# Altium PCB CM5_Adapter.PcbDoc (part 2 of 3)
Units mil, origin at the board's own origin, x right, y up, seen from the top; angles counter-clockwise.
Board outline 2540 x 1690 mil, 4 copper layers (Top Layer, Sig1, Sig2, Bottom Layer), stack 50.112 mil thick; 53 components, 281 nets, 1198 pads, 240 vias.
Unrouted connection lines stored in the file: 25.
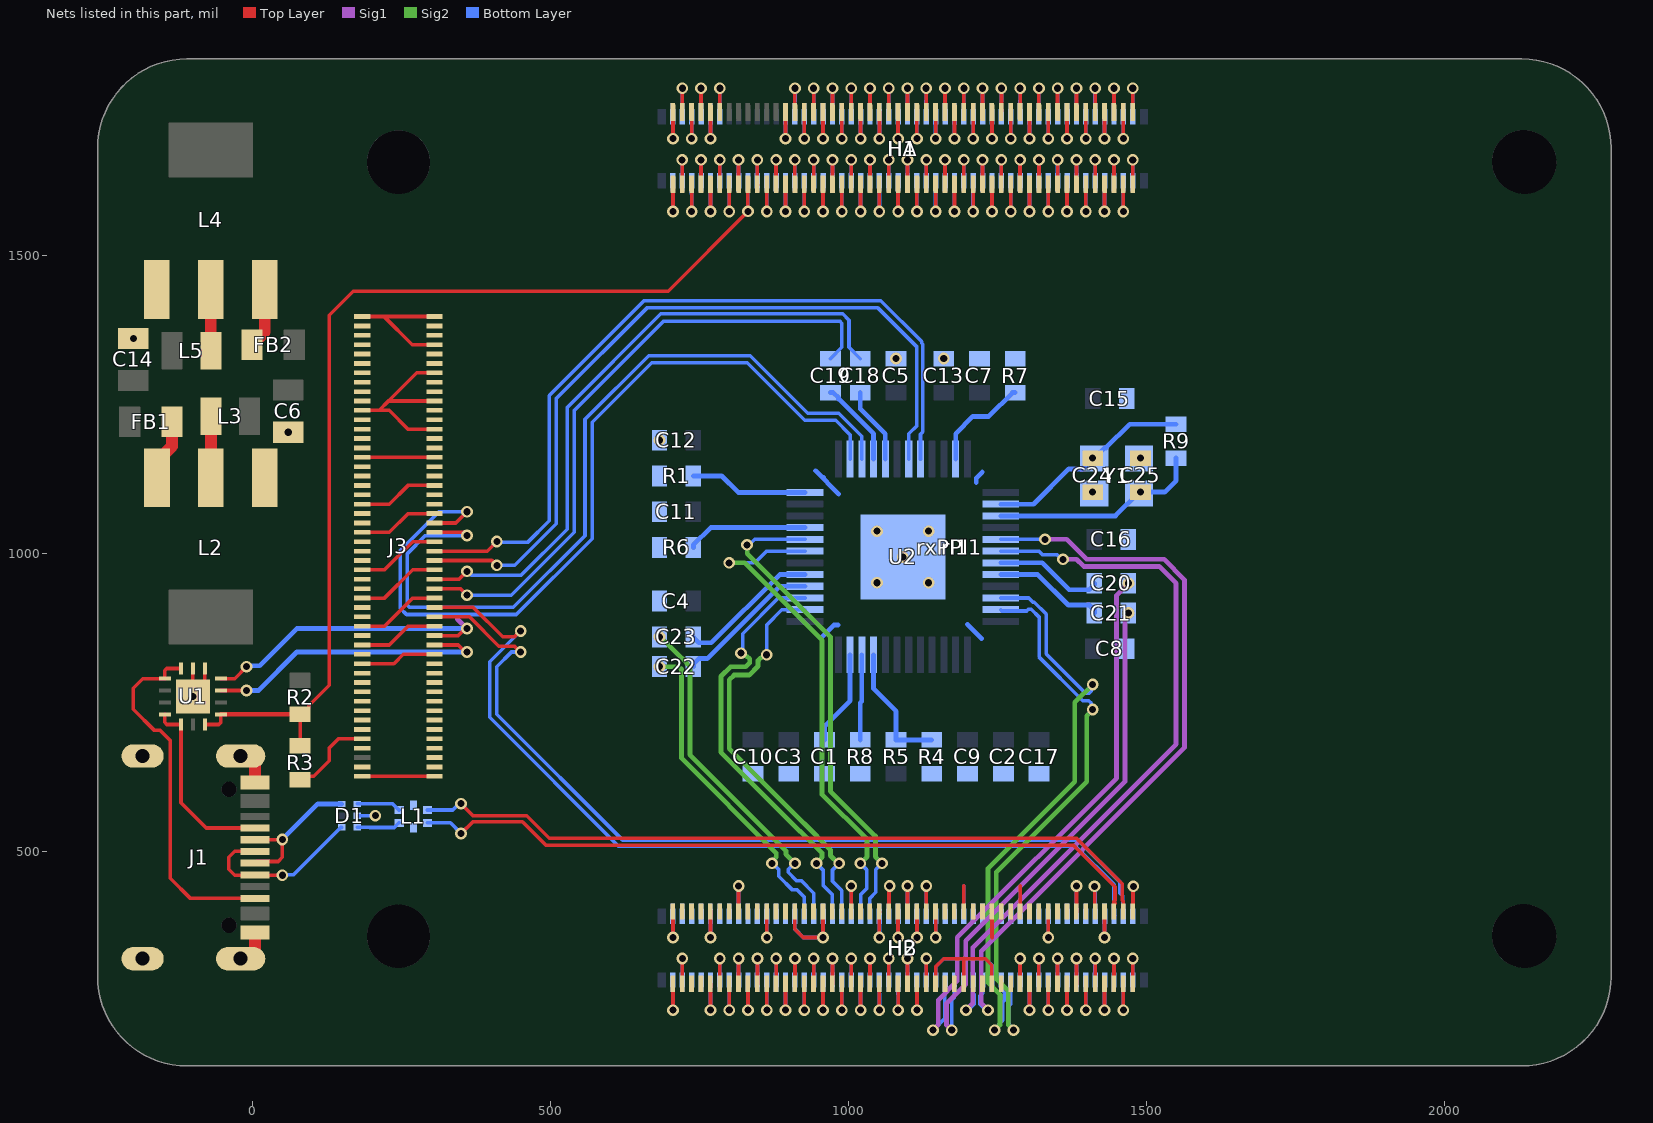
[diagram p4: the nets of this part, all layers, seen from the top]

## Via types
v1: diameter 19.68, hole 11.81, Top Layer to Bottom Layer, 240 vias

## Nets (pads, with @x,y where several pads share a name; then routed paths per layer and width w, separated by ;. In a path a pad name is that pad's centre, name@x,y a point inside that pad or via, vN(x,y) a via of type N, cw(c..) or ccw(c..) an arc to the next point about the centre after c; other vN are vias at no path point) (continued)
GND: C1.1 C2.1 C3.1 C4.1 C5.1 C6.2 C7.1 C8.1 C9.1 C10.1 C11.1 C12.1 C13.1 C14.2 C15.1 C16.1 C17.1 C24.1 C25.1 D1.2 H1.1 H1.2 H1.7 H1.8 H1.13 H1.14 H1.22 H1.23 H1.32 H1.33 H1.42 H1.43 H1.52 H1.53 H1.60 H1.65 H1.66 H1.71 H1.74 H1.98 H2.7 H2.8 H2.13 H2.14 H2.19 H2.20 H2.25 H2.26 H2.31 H2.32 H2.37 H2.38 H2.44 H2.50 H2.55 H2.56 H2.61 H2.62 H2.67 H2.68 H2.73 H2.74 H2.79 H2.80 H2.85 H2.86 H2.91 H2.92 H2.97 H2.98 HA.1 HA.2 HA.7 HA.8 HA.13 HA.14 HA.21 HA.24 HA.31 HA.34 HA.41 HA.44 HA.51 HA.54 HA.59 HA.65 HA.66 HA.72 HA.73 HA.97 HB.7 HB.8 HB.13 HB.14 HB.19 HB.20 HB.25 HB.26 HB.31 HB.32 HB.37 HB.38 HB.43 HB.49 HB.55 HB.56 HB.61 HB.62 HB.67 HB.68 HB.73 HB.74 HB.79 HB.80 HB.85 HB.86 HB.91 HB.92 HB.97 J1.A1B12 J1.B1A12 J1.S1 J1.S2 J1.S3 J1.S4 J3.1 J3.2 J3.8 J3.14 J3.20 J3.21 J3.26 J3.31 J3.32 J3.38 J3.41 J3.44 J3.47 J3.50 J3.55 J3.56 J3.61 J3.62 J3.67 J3.68 J3.71 J3.74 J3.75 J3.99 J3.100 L1.5 L1.6 L2.1 L4.1 R1.1 R4.1 R6.1 R7.1 R8.1 rPI1.1 rPI1.2 rPI1.7 rPI1.8 rPI1.13 rPI1.14 rPI1.22 rPI1.23 rPI1.32 rPI1.33 rPI1.42 rPI1.43 rPI1.52 rPI1.53 rPI1.60 rPI1.65 rPI1.66 rPI1.71 rPI1.74 rPI1.98 rPI1.107 rPI1.108 rPI1.113 rPI1.114 rPI1.119 rPI1.120 rPI1.125 rPI1.126 rPI1.131 rPI1.132 rPI1.137 rPI1.138 rPI1.144 rPI1.150 rPI1.155 rPI1.156 rPI1.161 rPI1.162 rPI1.167 rPI1.168 rPI1.173 rPI1.174 rPI1.179 rPI1.180 rPI1.185 rPI1.186 rPI1.191 rPI1.192 rPI1.198 rxPI1.1 rxPI1.2 rxPI1.7 rxPI1.8 rxPI1.13 rxPI1.14 rxPI1.22 rxPI1.23 rxPI1.32 rxPI1.33 rxPI1.42 rxPI1.43 rxPI1.52 rxPI1.53 rxPI1.60 rxPI1.65 rxPI1.66 rxPI1.71 rxPI1.74 rxPI1.98 rxPI1.107 rxPI1.108 rxPI1.113 rxPI1.114 rxPI1.119 rxPI1.120 rxPI1.125 rxPI1.126 rxPI1.131 rxPI1.132 rxPI1.137 rxPI1.138 rxPI1.144 rxPI1.150 rxPI1.155 rxPI1.156 rxPI1.161 rxPI1.162 rxPI1.167 rxPI1.168 rxPI1.173 rxPI1.174 rxPI1.179 rxPI1.180 rxPI1.185 rxPI1.186 rxPI1.191 rxPI1.192 rxPI1.197 rxPI1.198 rxPI1.201 rxPI1.202 rxPI1.207 rxPI1.213 rxPI1.219 rxPI1.222 rxPI1.225 rxPI1.231 rxPI1.232 rxPI1.237 rxPI1.242 rxPI1.243 rxPI1.248 rxPI1.249 rxPI1.255 rxPI1.256 rxPI1.261 rxPI1.262 rxPI1.267 rxPI1.268 rxPI1.272 rxPI1.273 rxPI1.276 rxPI1.299 rxPI1.300 U1.8 U1.9 U1.15 U2.49 Y1.2 Y1.4 | length 6596.3
  Top Layer w6: U1.9@-100,807 v1(-100,760) -80,780 U1.8@-80,807 ; J1.S2@-19.92,319.92 -10.92,319.92 J1.S2@4.49,335.33 ; J1.S1@-19.92,660.08 -10.92,660.08 J1.S1@4.49,644.66 ; J3.99@184.13,625.95 J3.100@305.39,625.95 ; J3.75@184.13,814.93 237.36,814.93 253.11,830.68 J3.74@305.39,830.68 ; J3.71@184.13,846.43 229.48,846.43 260.98,877.92 J3.68@305.39,877.92 ; J3.67@184.13,877.92 221.61,877.92 268.85,925.17 J3.62@305.39,925.17 ; J3.61@184.13,925.17 221.61,925.17 268.85,972.41 J3.56@305.39,972.41 ; J3.55@184.13,972.41 221.61,972.41 268.85,1019.66 J3.50@305.39,1019.66 ; J3.47@184.13,1035.4 229.48,1035.4 260.98,1066.9 J3.44@305.39,1066.9 ; J3.41@184.13,1082.65 229.48,1082.65 260.98,1114.14 J3.38@305.39,1114.14 ; J3.31@184.13,1161.39 J3.32@305.39,1161.39 ; J3.21@184.13,1240.13 212.51,1240.13 ; J3.26@305.39,1208.63 260.98,1208.63 229.48,1240.13 212.51,1240.13 ; J3.20@305.39,1255.88 228.26,1255.88 212.51,1240.13 ; J3.14@305.39,1303.12 275.51,1303.12 212.51,1240.13 ; J3.8@305.39,1350.36 267.92,1350.36 220.67,1397.61 J3.1@184.13,1397.61 J3.2@305.39,1397.61 ; H2.73@910.09,399.09 910.09,369.91 924.49,355.51 v1(957.52,355.51) ; H2.44@1146.31,277.83 1146.31,306.31 1160.08,320.08 1193.74,320.08 1193.82,320 1230,320 1240.8,309.2 H2.32@1240.8,277.83
  Top Layer w6.3: H2.97@721.11,399.09 H2.97@721.11,399.09 ; v1(721.11,1660.63) 721.21,1660.54 721.21,1618.65 H1.98@721.3,1618.55 ; H2.98@721.3,276.9 v1(721.3,320.08) ; H2.91@768.36,399.09 768.45,399 768.45,355.61 v1(768.54,355.51) ; v1(768.54,233.46) H2.92@768.54,276.9 ; H2.85@815.6,399.09 815.69,399.19 815.69,442.03 v1(815.79,442.13) ; H2.86@815.79,276.9 v1(815.79,320.08) ; H2.79@862.84,399.09 862.94,399 862.94,355.61 v1(863.03,355.51) ; v1(863.03,233.46) H2.80@863.03,276.9 ; H2.73@910.09,399.09 H2.73@910.18,399.19 ; rxPI1.74@910.09,1620.91 v1(910.09,1660.63) ; H2.74@910.28,276.9 v1(910.28,320.08) ; rxPI1.71@925.84,1742.17 925.93,1742.07 925.93,1696.16 v1(926.02,1696.06) ; H2.67@957.43,399 957.43,355.61 v1(957.52,355.51) ; v1(957.52,233.46) H2.68@957.52,276.9 ; rxPI1.66@973.08,1620.91 973.17,1621 973.17,1660.54 v1(973.27,1660.63) ; rxPI1.65@973.08,1742.17 973.17,1742.26 973.17,1780.62 v1(973.27,1780.71) ; H2.61@1004.58,399.09 1004.67,399.19 1004.67,442.03 v1(1004.76,442.13) ; H2.62@1004.76,276.9 v1(1004.76,320.08) ; rxPI1.60@1020.32,1620.91 1020.42,1620.81 1020.42,1574.11 v1(1020.51,1574.02) ; H2.56@1051.82,277.83 1051.91,277.74 1051.91,233.56 v1(1052.01,233.46) ; v1(1052.01,355.51) 1051.91,355.61 1051.91,398.07 H2.55@1052.01,398.16 ; H1.53@1067.76,1739.81 v1(1067.76,1780.71) ; rxPI1.52@1083.32,1620.91 1083.41,1620.81 1083.41,1574.11 v1(1083.5,1574.02) ; H2.50@1099.25,276.9 v1(1099.25,320.08) ; H2.44@1146.31,277.83 H2.44@1146.4,277.74 ; v1(1146.5,1696.06) H1.43@1146.5,1739.81 ; rxPI1.42@1162.06,1620.91 1162.15,1621 1162.15,1660.54 v1(1162.24,1660.63) ; H2.38@1193.55,277.83 1193.65,277.93 1193.65,319.99 1193.74,320.08 ; H2.37@1193.55,399.09 1193.65,399.19 1193.65,442.03 1193.74,442.13 ; rxPI1.33@1225.05,1742.17 1225.14,1742.26 1225.14,1780.62 v1(1225.24,1780.71) ; H2.32@1240.8,277.83 H2.32@1240.89,277.74 ; H2.31@1240.8,399.09 1240.89,399 1240.89,355.61 1240.98,355.51 ; v1(1240.98,1574.02) H1.32@1240.98,1618.55 ; H2.26@1288.04,277.83 1288.13,277.93 1288.13,319.99 v1(1288.23,320.08) ; H2.25@1288.23,398.16 1288.23,442.13 ; v1(1303.98,1696.06) H1.23@1303.98,1739.81 ; H1.22@1319.72,1618.55 v1(1319.72,1660.63) ; H2.20@1335.29,277.83 1335.38,277.74 1335.38,233.56 v1(1335.47,233.46) ; v1(1335.47,355.51) H2.19@1335.47,398.16 ; H2.14@1382.53,277.83 1382.62,277.93 1382.62,319.99 v1(1382.72,320.08) ; rxPI1.13@1382.53,1742.17 1382.62,1742.26 1382.62,1780.62 v1(1382.72,1780.71) ; H2.13@1382.62,399.19 1382.62,442.03 v1(1382.72,442.13) ; H1.14@1382.72,1618.55 v1(1382.72,1660.63) ; H2.8@1429.77,277.83 1429.87,277.74 1429.87,233.56 v1(1429.96,233.46) ; rxPI1.7@1429.77,1742.17 1429.87,1742.07 1429.87,1696.16 v1(1429.96,1696.06) ; H2.7@1429.87,399 1429.87,355.61 v1(1429.96,355.51) ; v1(1429.96,1574.02) H1.8@1429.96,1618.55 ; rxPI1.1@1477.02,1742.17 1477.11,1742.26 1477.11,1780.62 v1(1477.2,1780.71) ; H1.2@1477.2,1618.55 v1(1477.2,1660.63)
  Top Layer w20: J1.S2@4.49,335.33 J1.B1A12@4.49,364.02 ; J1.A1B12@4.49,615.98 J1.S1@4.49,644.66
  Bottom Layer w6: D1.2@176.05,560 v1(206.14,560) ; HB.74@910.28,390.88 910.28,369.72 924.49,355.51 v1(957.52,355.51) ; HB.43@1146.5,284.18 1146.5,306.5 1160.08,320.08 1193.74,320.08 ; 1193.98,319.84 1230.16,319.84 1240.98,309.02 HB.31@1240.98,284.18
  Bottom Layer w6.3: rPI1.198@721.11,277.83 721.11,294.76 721.3,294.95 v1(721.3,320.08) ; rPI1.98@721.11,1620.91 v1(721.11,1660.63) ; rPI1.192@768.36,277.83 768.36,260.9 768.54,260.72 v1(768.54,233.46) ; v1(768.54,355.51) HB.92@768.54,390.88 ; HB.85@815.79,284.18 v1(815.79,320.08) ; HB.86@815.79,390.88 v1(815.79,442.13) ; rPI1.180@862.84,277.83 862.84,260.9 863.03,260.72 v1(863.03,233.46) ; v1(863.03,355.51) HB.80@863.03,390.88 ; rPI1.174@910.09,277.83 910.09,294.76 910.28,294.95 v1(910.28,320.08) ; rPI1.74@910.09,1620.91 v1(910.09,1660.63) ; v1(926.02,1696.06) HA.72@926.02,1732.53 ; rPI1.168@957.33,277.83 957.33,260.9 957.52,260.72 v1(957.52,233.46) ; v1(957.52,355.51) HB.68@957.52,390.88 ; HA.65@973.27,1625.84 v1(973.27,1660.63) ; HA.66@973.27,1732.53 v1(973.27,1780.71) ; rPI1.162@1004.58,277.83 1004.58,294.76 1004.76,294.95 v1(1004.76,320.08) ; HB.62@1004.76,390.88 v1(1004.76,442.13) ; rPI1.60@1020.32,1620.91 1020.32,1603.98 1020.51,1603.79 v1(1020.51,1574.02) ; rPI1.156@1051.82,277.83 1051.82,260.9 1052.01,260.72 v1(1052.01,233.46) ; v1(1052.01,355.51) HB.56@1052.01,390.88 ; HA.54@1067.76,1732.53 v1(1067.76,1780.71) ; rPI1.52@1083.32,1620.91 1083.32,1574.2 v1(1083.5,1574.02) ; rPI1.150@1099.06,277.83 1099.06,294.76 1099.25,294.95 v1(1099.25,320.08) ; rPI1.43@1146.31,1742.17 1146.31,1696.25 v1(1146.5,1696.06) ; rPI1.42@1162.06,1620.91 1162.06,1660.44 v1(1162.24,1660.63) ; HB.37@1193.74,284.18 1193.74,320.08 ; HB.38@1193.74,390.88 1193.74,442.13 ; rPI1.33@1225.05,1742.17 1225.05,1780.52 v1(1225.24,1780.71) ; rPI1.32@1240.8,1620.91 1240.8,1574.2 v1(1240.98,1574.02) ; 1240.98,355.51 HB.32@1240.98,390.88 ; rPI1.126@1288.04,277.83 1288.04,319.89 v1(1288.23,320.08) ; HB.26@1288.23,390.88 1288.23,442.13 ; rPI1.23@1303.79,1742.17 1303.79,1696.25 v1(1303.98,1696.06) ; rPI1.22@1319.54,1620.91 1319.54,1660.44 v1(1319.72,1660.63) ; rPI1.120@1335.29,277.83 1335.29,233.65 v1(1335.47,233.46) ; rPI1.119@1335.29,399.09 1335.29,355.7 v1(1335.47,355.51) ; rPI1.113@1382.53,399.09 1382.53,441.94 v1(1382.72,442.13) ; rPI1.13@1382.53,1742.17 1382.53,1780.52 v1(1382.72,1780.71) ; HB.13@1382.72,284.18 v1(1382.72,320.08) ; HA.13@1382.72,1625.84 v1(1382.72,1660.63) ; rPI1.108@1429.77,277.83 1429.77,233.65 v1(1429.96,233.46) ; rPI1.107@1429.77,399.09 1429.77,355.7 v1(1429.96,355.51) ; rPI1.7@1429.77,1742.17 1429.77,1696.25 v1(1429.96,1696.06) ; v1(1429.96,1574.02) HA.7@1429.96,1625.84 ; rPI1.1@1477.02,1742.17 1477.02,1780.52 v1(1477.2,1780.71) ; HA.1@1477.2,1625.84 v1(1477.2,1660.63)
  Bottom Layer w8: 944.94,1138.65 983.99,1099.61 ; 955.92,860 975.92,880 983.15,880 ; 958.15,1125.9 958.15,1127.44 ; 1199.69,881.15 1223.33,857.5 ; 1214.59,1119.25 1214.59,1126.55 1224.69,1136.65
  other v1: 1048.11,950.87 1134.72,950.87 1091.42,994.17 1048.11,1037.48 1134.72,1037.48 1410,1103 1490,1160 683,1190 60,1203.44 1080,1327 1160,1327 -200,1361
HDMI0_CEC: H2.51 HB.52 rPI1.151 rxPI1.151 | length 87.3
  Top Layer w6.3: H2.51@1083.32,399.09 1083.41,399 1083.41,355.61 v1(1083.5,355.51)
  Bottom Layer w6.3: rPI1.151@1083.32,399.09 1083.32,382.16 1083.5,381.98 v1(1083.5,355.51)
HDMI0_CLK_N: H2.90 HB.89 rPI1.190 rxPI1.190 | length 78.2
  Top Layer w6.3: H2.90@784.1,277.83 784.2,277.93 784.2,319.99 v1(784.29,320.08)
  Bottom Layer w6.3: HB.89@784.29,284.18 v1(784.29,320.08)
HDMI0_CLK_P: H2.88 HB.87 rPI1.188 rxPI1.188 | length 88.9
  Top Layer w6.3: H2.88@799.85,277.83 799.95,277.74 799.95,233.56 v1(800.04,233.46)
  Bottom Layer w6.3: rPI1.188@799.85,277.83 799.85,260.9 800.04,260.72 v1(800.04,233.46)
HDMI0_HOTPLUG: H2.53 HB.54 rPI1.153 rxPI1.153 | length 87.5
  Top Layer w6.3: H2.53@1067.57,399.09 1068.36,399.88 1068.36,441.24 v1(1069.25,442.13)
  Bottom Layer w6.3: rPI1.153@1067.57,399.09 1068.5,400.03 1068.5,441.38 v1(1069.25,442.13)
HDMI0_SCL: H2.100 HB.99 rPI1.200 rxPI1.200 | length 88.9
  Top Layer w6.3: H2.100@705.36,277.83 705.46,277.74 705.46,233.56 v1(705.55,233.46)
  Bottom Layer w6.3: rPI1.200@705.36,277.83 705.36,260.9 705.55,260.72 v1(705.55,233.46)
HDMI0_SDA: H2.99 HB.100 rPI1.199 rxPI1.199 | length 79
  Top Layer w6.3: H2.99@705.36,399.09 705.46,399 705.46,355.61 v1(705.55,355.51)
  Bottom Layer w6.3: v1(705.55,355.51) HB.100@705.55,390.88
HDMI0_TX0_N: H2.84 HB.83 rPI1.184 rxPI1.184 | length 95.2
  Top Layer w6.3: H2.84@831.35,277.83 831.44,277.74 831.44,233.56 v1(831.54,233.46)
  Bottom Layer w6.3: v1(831.54,233.46) HB.83@831.54,284.18
HDMI0_TX0_P: H2.82 HB.81 rPI1.182 rxPI1.182 | length 85.5
  Top Layer w6.3: H2.82@847.28,276.9 v1(847.28,320.08)
  Bottom Layer w6.3: rPI1.182@847.1,277.83 847.1,294.76 847.28,294.95 v1(847.28,320.08)
HDMI0_TX1_N: H2.78 HB.77 rPI1.178 rxPI1.178 | length 85.5
  Top Layer w6.3: H2.78@878.78,276.9 v1(878.78,320.08)
  Bottom Layer w6.3: rPI1.178@878.59,277.83 878.59,294.76 878.78,294.95 v1(878.78,320.08)
HDMI0_TX1_P: H2.76 HB.75 rPI1.176 rxPI1.176 | length 87.9
  Top Layer w6.3: v1(894.53,233.46) H2.76@894.53,276.9
  Bottom Layer w6.3: rPI1.176@894.34,277.83 894.34,260.9 894.53,260.72 v1(894.53,233.46)
HDMI0_TX2_N: H2.72 HB.71 rPI1.172 rxPI1.172 | length 87.9
  Top Layer w6.3: v1(926.02,233.46) H2.72@926.02,276.9
  Bottom Layer w6.3: rPI1.172@925.84,277.83 925.84,260.9 926.02,260.72 v1(926.02,233.46)
HDMI0_TX2_P: H2.70 HB.69 rPI1.170 rxPI1.170 | length 85.5
  Top Layer w6.3: H2.70@941.77,276.9 v1(941.77,320.08)
  Bottom Layer w6.3: rPI1.170@941.58,277.83 941.58,294.76 941.77,294.95 v1(941.77,320.08)
HDMI1_CEC: H2.49 HB.50 rPI1.149 rxPI1.149 | length 94.4
  Top Layer w6.3: H2.49@1099.06,399.09 1099.16,399.19 1099.16,442.03 v1(1099.25,442.13)
  Bottom Layer w6.3: HB.50@1099.25,390.88 v1(1099.25,442.13)
HDMI1_CLK_N: H2.66 HB.65 rPI1.166 rxPI1.166 | length 85.5
  Top Layer w6.3: H2.66@973.27,276.9 v1(973.27,320.08)
  Bottom Layer w6.3: rPI1.166@973.08,277.83 973.08,294.76 973.27,294.95 v1(973.27,320.08)
HDMI1_CLK_P: H2.64 HB.63 rPI1.164 rxPI1.164 | length 87.9
  Top Layer w6.3: v1(989.02,233.46) H2.64@989.02,276.9
  Bottom Layer w6.3: rPI1.164@988.83,277.83 988.83,260.9 989.02,260.72 v1(989.02,233.46)
HDMI1_HOTPLUG: H2.43 HB.44 rPI1.143 rxPI1.143 | length 79
  Top Layer w6.3: H2.43@1146.31,399.09 1146.4,399 1146.4,355.61 v1(1146.5,355.51)
  Bottom Layer w6.3: v1(1146.5,355.51) HB.44@1146.5,390.88
HDMI1_SCL: H2.47 HB.48 rPI1.147 rxPI1.147 | length 78
  Top Layer w6.3: v1(1115,355.51) H2.47@1115,398.16
  Bottom Layer w6.3: v1(1115,355.51) HB.48@1115,390.88
HDMI1_SDA: H2.45 HB.46 rPI1.145 rxPI1.145 | length 95.2
  Top Layer w6.3: H2.45@1130.75,398.16 v1(1130.75,442.13)
  Bottom Layer w6.3: HB.46@1130.75,390.88 v1(1130.75,442.13)
HDMI1_TX0_N: H2.60 HB.59 rPI1.160 rxPI1.160 | length 88.9
  Top Layer w6.3: H2.60@1020.32,277.83 1020.42,277.74 1020.42,233.56 v1(1020.51,233.46)
  Bottom Layer w6.3: rPI1.160@1020.32,277.83 1020.32,260.9 1020.51,260.72 v1(1020.51,233.46)
HDMI1_TX0_P: H2.58 HB.57 rPI1.158 rxPI1.158 | length 85.5
  Top Layer w6.3: H2.58@1036.26,276.9 v1(1036.26,320.08)
  Bottom Layer w6.3: rPI1.158@1036.07,277.83 1036.07,294.76 1036.26,294.95 v1(1036.26,320.08)
HDMI1_TX1_N: H2.54 HB.53 rPI1.154 rxPI1.154 | length 85.5
  Top Layer w6.3: H2.54@1067.76,276.9 v1(1067.76,320.08)
  Bottom Layer w6.3: rPI1.154@1067.57,277.83 1067.57,294.76 1067.76,294.95 v1(1067.76,320.08)
HDMI1_TX1_P: H2.52 HB.51 rPI1.152 rxPI1.152 | length 87.9
  Top Layer w6.3: v1(1083.5,233.46) H2.52@1083.5,276.9
  Bottom Layer w6.3: rPI1.152@1083.32,277.83 1083.32,260.9 1083.5,260.72 v1(1083.5,233.46)
HDMI1_TX2_N: H2.48 HB.47 rPI1.148 rxPI1.148 | length 94.2
  Top Layer w6.3: v1(1115,233.46) H2.48@1115,276.9
  Bottom Layer w6.3: v1(1115,233.46) HB.47@1115,284.18
HDMI1_TX2_P: H2.46 HB.45 rPI1.146 rxPI1.146 | length 79.1
  Top Layer w6.3: H2.46@1130.75,276.9 v1(1130.75,320.08)
  Bottom Layer w6.3: HB.45@1130.75,284.18 v1(1130.75,320.08)
I2C_SCL: J3.72 rxPI1.271 U1.6 | length 499.3
  Top Layer w6: U1.6@-53,770 v1(-10,770) ; J3.72@305.39,846.43 345.16,846.43 356.98,834.62 v1(360,834.62)
  Bottom Layer w8: v1(-10,770) 10,770 74.62,834.62 v1(360,834.62)
I2C_SDA: J3.70 rxPI1.269 U1.7 | length 529.9
  Top Layer w6: U1.7@-53,790 -30,790 v1(-10,810) ; J3.70@305.39,862.18 345.16,862.18 356.97,873.99 v1(360,873.99)
  Sig1 w8: 343.99,890 v1(360,873.99)
  Bottom Layer w8: v1(-10,810) -8.49,811.51 11.84,811.51 74.32,873.99 v1(360,873.99)
NetC1_2: C1.2 U2.11 | length 160.7
  Bottom Layer w8: C1.2@960,687 960,710 1002.83,752.83 U2.11@1002.83,830
NetC18_2: C18.2 U2.29 | length 129
  Bottom Layer w8: C18.2@1020,1270 1020,1242.52 1061.89,1200.63 U2.29@1061.89,1158.35
NetC19_2: C19.2 U2.28 | length 144.2
  Bottom Layer w8: C19.2@970,1270 974.5,1270 983.5,1261 983.5,1259.35 1042.2,1200.65 U2.28@1042.2,1158.35
NetC20_2: C20.2 U2.43 | length 181.8
  Bottom Layer w8: U2.43@1255.59,984.33 1325.13,984.33 1370.41,939.06 1404,939.06 1413,948.06 C20.2@1413,950
NetC21_2: C21.2 U2.44 | length 186.8
  Bottom Layer w8: U2.44@1255.59,964.65 1317.68,964.65 1368.82,913.5 1404,913.5 1413,904.5 C21.2@1413,900
NetC22_2: C22.2 U2.16 | length 245.8
  Bottom Layer w8: C22.2@740,810 740,814.5 749,823.5 763.17,823.5 884.63,944.96 U2.16@927.24,944.96
NetC23_2: C23.2 U2.17 | length 239.5
  Bottom Layer w8: C23.2@740,860 740,859 749,850 770,850 884.65,964.65 U2.17@927.24,964.65
NetC24_2: C24.2 R9.1 U2.38 Y1.3 | length 347.8
  Bottom Layer w8: U2.38@1255.59,1082.76 1310.63,1082.76 1369.75,1141.87 1392.98,1141.87 1410,1158.9 v1(1410,1160) ; Y1.3@1412.82,1160 1430,1177.18 1432.22,1177.18 1472.04,1217 R9.1@1550,1217
NetC25_2: C25.2 R9.2 U2.39 Y1.1 | length 356.7
  Bottom Layer w8: U2.39@1255.59,1063.07 1448.03,1063.07 1487.96,1103 v1(1490,1103) 1530.87,1103 1550,1122.13 R9.2@1550,1160
NetD1_1: D1.1 L1.4 | length 74.7
  Bottom Layer w6: D1.1@176.05,579.68 197.76,579.68 197.92,579.84 235.08,579.84 245.39,569.53 L1.4@246.38,569.53
NetD1_3: D1.3 L1.3 | length 73.6
  Bottom Layer w6: D1.3@176.05,540.32 196.82,540.32 196.98,540.16 237.68,540.16 245.39,547.87 L1.3@246.38,547.87
NetFB1_1: FB1.1 L2.3 | length 104.8
  Top Layer w6: L2.3@-160.5,1126.92 L2.3@-160.5,1154.48
  Top Layer w20: L2.3@-160.5,1154.48 -135.1,1179.88 FB1.1@-135.1,1221.19
NetFB2_1: FB2.1 L4.3 | length 109.7
  Top Layer w6: FB2.1@-1,1350 FB2.1@-1,1357.75
  Top Layer w20: FB2.1@-1,1350 20.5,1371.5 L4.3@20.5,1443.08
NetH1_3: H1.3 HA.4 rPI1.3 rxPI1.3 | length 89.9
  Top Layer w6.3: v1(1461.46,1696.06) H1.3@1461.46,1739.81
  Bottom Layer w6.3: rPI1.3@1461.27,1742.17 1461.27,1696.25 v1(1461.46,1696.06)
NetH1_4: H1.4 HA.3 rPI1.4 rxPI1.4 | length 93.9
  Top Layer w6.3: rxPI1.4@1461.27,1620.91 1461.36,1620.81 1461.36,1574.11 v1(1461.46,1574.02)
  Bottom Layer w6.3: rPI1.4@1461.27,1620.91 1461.27,1574.2 v1(1461.46,1574.02)
NetH1_5: H1.5 HA.6 rPI1.5 rxPI1.5 | length 77.2
  Top Layer w6.3: rxPI1.5@1445.52,1742.17 1445.62,1742.26 1445.62,1780.62 v1(1445.71,1780.71)
  Bottom Layer w6.3: rPI1.5@1445.52,1742.17 1445.52,1780.52 v1(1445.71,1780.71)
NetH1_6: H1.6 HA.5 rPI1.6 rxPI1.6 | length 76.9
  Top Layer w6.3: H1.6@1445.71,1618.55 v1(1445.71,1660.63)
  Bottom Layer w6.3: HA.5@1445.71,1625.84 v1(1445.71,1660.63)
NetH1_9: H1.9 HA.10 rPI1.9 rxPI1.9 | length 77.2
  Top Layer w6.3: rxPI1.9@1414.03,1742.17 1414.12,1742.26 1414.12,1780.62 v1(1414.21,1780.71)
  Bottom Layer w6.3: rPI1.9@1414.03,1742.17 1414.03,1780.52 v1(1414.21,1780.71)
NetH1_10: H1.10 HA.9 rPI1.10 rxPI1.10 | length 76.9
  Top Layer w6.3: H1.10@1414.21,1618.55 v1(1414.21,1660.63)
  Bottom Layer w6.3: HA.9@1414.21,1625.84 v1(1414.21,1660.63)
NetH1_11: H1.11 HA.12 rPI1.11 rxPI1.11 | length 92.4
  Top Layer w6.3: rxPI1.11@1398.28,1742.17 1398.37,1742.07 1398.37,1696.16 v1(1398.46,1696.06)
  Bottom Layer w6.3: rPI1.11@1398.28,1742.17 1398.28,1696.25 v1(1398.46,1696.06)
NetH1_12: H1.12 HA.11 rPI1.12 rxPI1.12 | length 96.4
  Top Layer w6.3: v1(1398.46,1574.02) H1.12@1398.46,1618.55
  Bottom Layer w6.3: v1(1398.46,1574.02) HA.11@1398.46,1625.84
NetH1_15: H1.15 HA.16 rPI1.15 rxPI1.15 | length 80.2
  Top Layer w6.3: v1(1366.97,1696.06) H1.15@1366.97,1739.81
  Bottom Layer w6.3: v1(1366.97,1696.06) HA.16@1366.97,1732.53
NetH1_16: H1.16 HA.15 rPI1.16 rxPI1.16 | length 93.9
  Top Layer w6.3: rxPI1.16@1366.78,1620.91 1366.88,1620.81 1366.88,1574.11 v1(1366.97,1574.02)
  Bottom Layer w6.3: rPI1.16@1366.78,1620.91 1366.78,1574.2 v1(1366.97,1574.02)
NetH1_17: H1.17 HA.18 rPI1.17 rxPI1.17 | length 86.8
  Top Layer w6.3: rxPI1.17@1351.03,1742.17 1351.13,1742.26 1351.13,1780.62 v1(1351.22,1780.71)
  Bottom Layer w6.3: HA.18@1351.22,1732.53 v1(1351.22,1780.71)
NetH1_18: H1.18 HA.17 rPI1.18 rxPI1.18 | length 81.9
  Top Layer w6.3: H1.18@1351.22,1618.55 v1(1351.22,1660.63)
  Bottom Layer w6.3: rPI1.18@1351.03,1620.91 1351.03,1660.44 v1(1351.22,1660.63)
NetH1_19: H1.19 HA.20 rPI1.19 rxPI1.19 | length 89.9
  Top Layer w6.3: v1(1335.47,1696.06) H1.19@1335.47,1739.81
  Bottom Layer w6.3: rPI1.19@1335.29,1742.17 1335.29,1696.25 v1(1335.47,1696.06)
NetH1_20: H1.20 HA.19 rPI1.20 rxPI1.20 | length 91.5
  Top Layer w6.3: v1(1335.47,1574.02) H1.20@1335.47,1618.55
  Bottom Layer w6.3: rPI1.20@1335.29,1620.91 1335.29,1574.2 v1(1335.47,1574.02)
NetH1_21: H1.21 HA.22 rPI1.21 rxPI1.21 | length 77.2
  Top Layer w6.3: rxPI1.21@1319.54,1742.17 1319.63,1742.26 1319.63,1780.62 v1(1319.72,1780.71)
  Bottom Layer w6.3: rPI1.21@1319.54,1742.17 1319.54,1780.52 v1(1319.72,1780.71)
NetH1_24: H1.24 HA.23 rPI1.24 rxPI1.24 | length 91.5
  Top Layer w6.3: v1(1303.98,1574.02) H1.24@1303.98,1618.55
  Bottom Layer w6.3: rPI1.24@1303.79,1620.91 1303.79,1574.2 v1(1303.98,1574.02)
NetH1_25: H1.25 HA.26 rPI1.25 rxPI1.25 | length 76.7
  Top Layer w6.3: H1.25@1288.23,1742.35 v1(1288.23,1780.71)
  Bottom Layer w6.3: rPI1.25@1288.04,1742.17 1288.04,1759.1 ; 1288.23,1759.28 v1(1288.23,1780.71)
NetH1_26: H1.26 HA.25 rPI1.26 rxPI1.26 | length 79.6
  Top Layer w6.3: rxPI1.26@1288.04,1620.91 1288.13,1621 1288.13,1660.54 v1(1288.23,1660.63)
  Bottom Layer w6.3: rPI1.26@1288.04,1620.91 1288.04,1660.44 v1(1288.23,1660.63)
NetH1_27: H1.27 HA.28 rPI1.27 rxPI1.27 | length 92.4
  Top Layer w6.3: rxPI1.27@1272.29,1742.17 1272.39,1742.07 1272.39,1696.16 v1(1272.48,1696.06)
  Bottom Layer w6.3: rPI1.27@1272.29,1742.17 1272.29,1696.25 v1(1272.48,1696.06)
NetH1_28: H1.28 HA.27 rPI1.28 rxPI1.28 | length 91.5
  Top Layer w6.3: v1(1272.48,1574.02) H1.28@1272.48,1618.55
  Bottom Layer w6.3: rPI1.28@1272.29,1620.91 1272.29,1574.2 v1(1272.48,1574.02)
NetH1_29: H1.29 HA.30 rPI1.29 rxPI1.29 | length 76.7
  Top Layer w6.3: H1.29@1256.73,1742.35 v1(1256.73,1780.71)
  Bottom Layer w6.3: rPI1.29@1256.54,1742.17 1256.55,1759.1 ; 1256.73,1759.28 v1(1256.73,1780.71)
NetH1_30: H1.30 HA.29 rPI1.30 rxPI1.30 | length 79.6
  Top Layer w6.3: rxPI1.30@1256.55,1620.91 1256.64,1621 1256.64,1660.54 v1(1256.73,1660.63)
  Bottom Layer w6.3: rPI1.30@1256.54,1620.91 1256.55,1660.44 v1(1256.73,1660.63)
NetH1_31: H1.31 HA.32 rPI1.31 rxPI1.31 | length 92.4
  Top Layer w6.3: rxPI1.31@1240.8,1742.17 1240.89,1742.07 1240.89,1696.16 v1(1240.98,1696.06)
  Bottom Layer w6.3: rPI1.31@1240.8,1742.17 1240.8,1696.25 v1(1240.98,1696.06)
NetH1_34: H1.34 HA.33 rPI1.34 rxPI1.34 | length 81.9
  Top Layer w6.3: H1.34@1225.24,1618.55 v1(1225.24,1660.63)
  Bottom Layer w6.3: rPI1.34@1225.05,1620.91 1225.05,1660.44 v1(1225.24,1660.63)
NetH1_35: H1.35 HA.36 rPI1.35 rxPI1.35 | length 82.6
  Top Layer w6.3: rxPI1.35@1209.3,1742.17 1209.39,1742.07 1209.39,1696.16 v1(1209.49,1696.06)
  Bottom Layer w6.3: v1(1209.49,1696.06) HA.36@1209.49,1732.53
NetH1_36: H1.36 HA.35 rPI1.36 rxPI1.36 | length 93.9
  Top Layer w6.3: rxPI1.36@1209.3,1620.91 1209.39,1620.81 1209.39,1574.11 v1(1209.49,1574.02)
  Bottom Layer w6.3: rPI1.36@1209.3,1620.91 1209.3,1574.2 v1(1209.49,1574.02)